# Altium PCB PCB.PcbDoc (part 3 of 3)
Units mm, origin at the board's own origin, x right, y up, seen from the top; angles counter-clockwise.
Board outline 138 x 80 mm, 4 copper layers (Top Layer, Signal Layer 1, Signal Layer 2, Bottom Layer), stack 1.605 mm thick; 288 components, 216 nets, 805 pads, 268 vias.
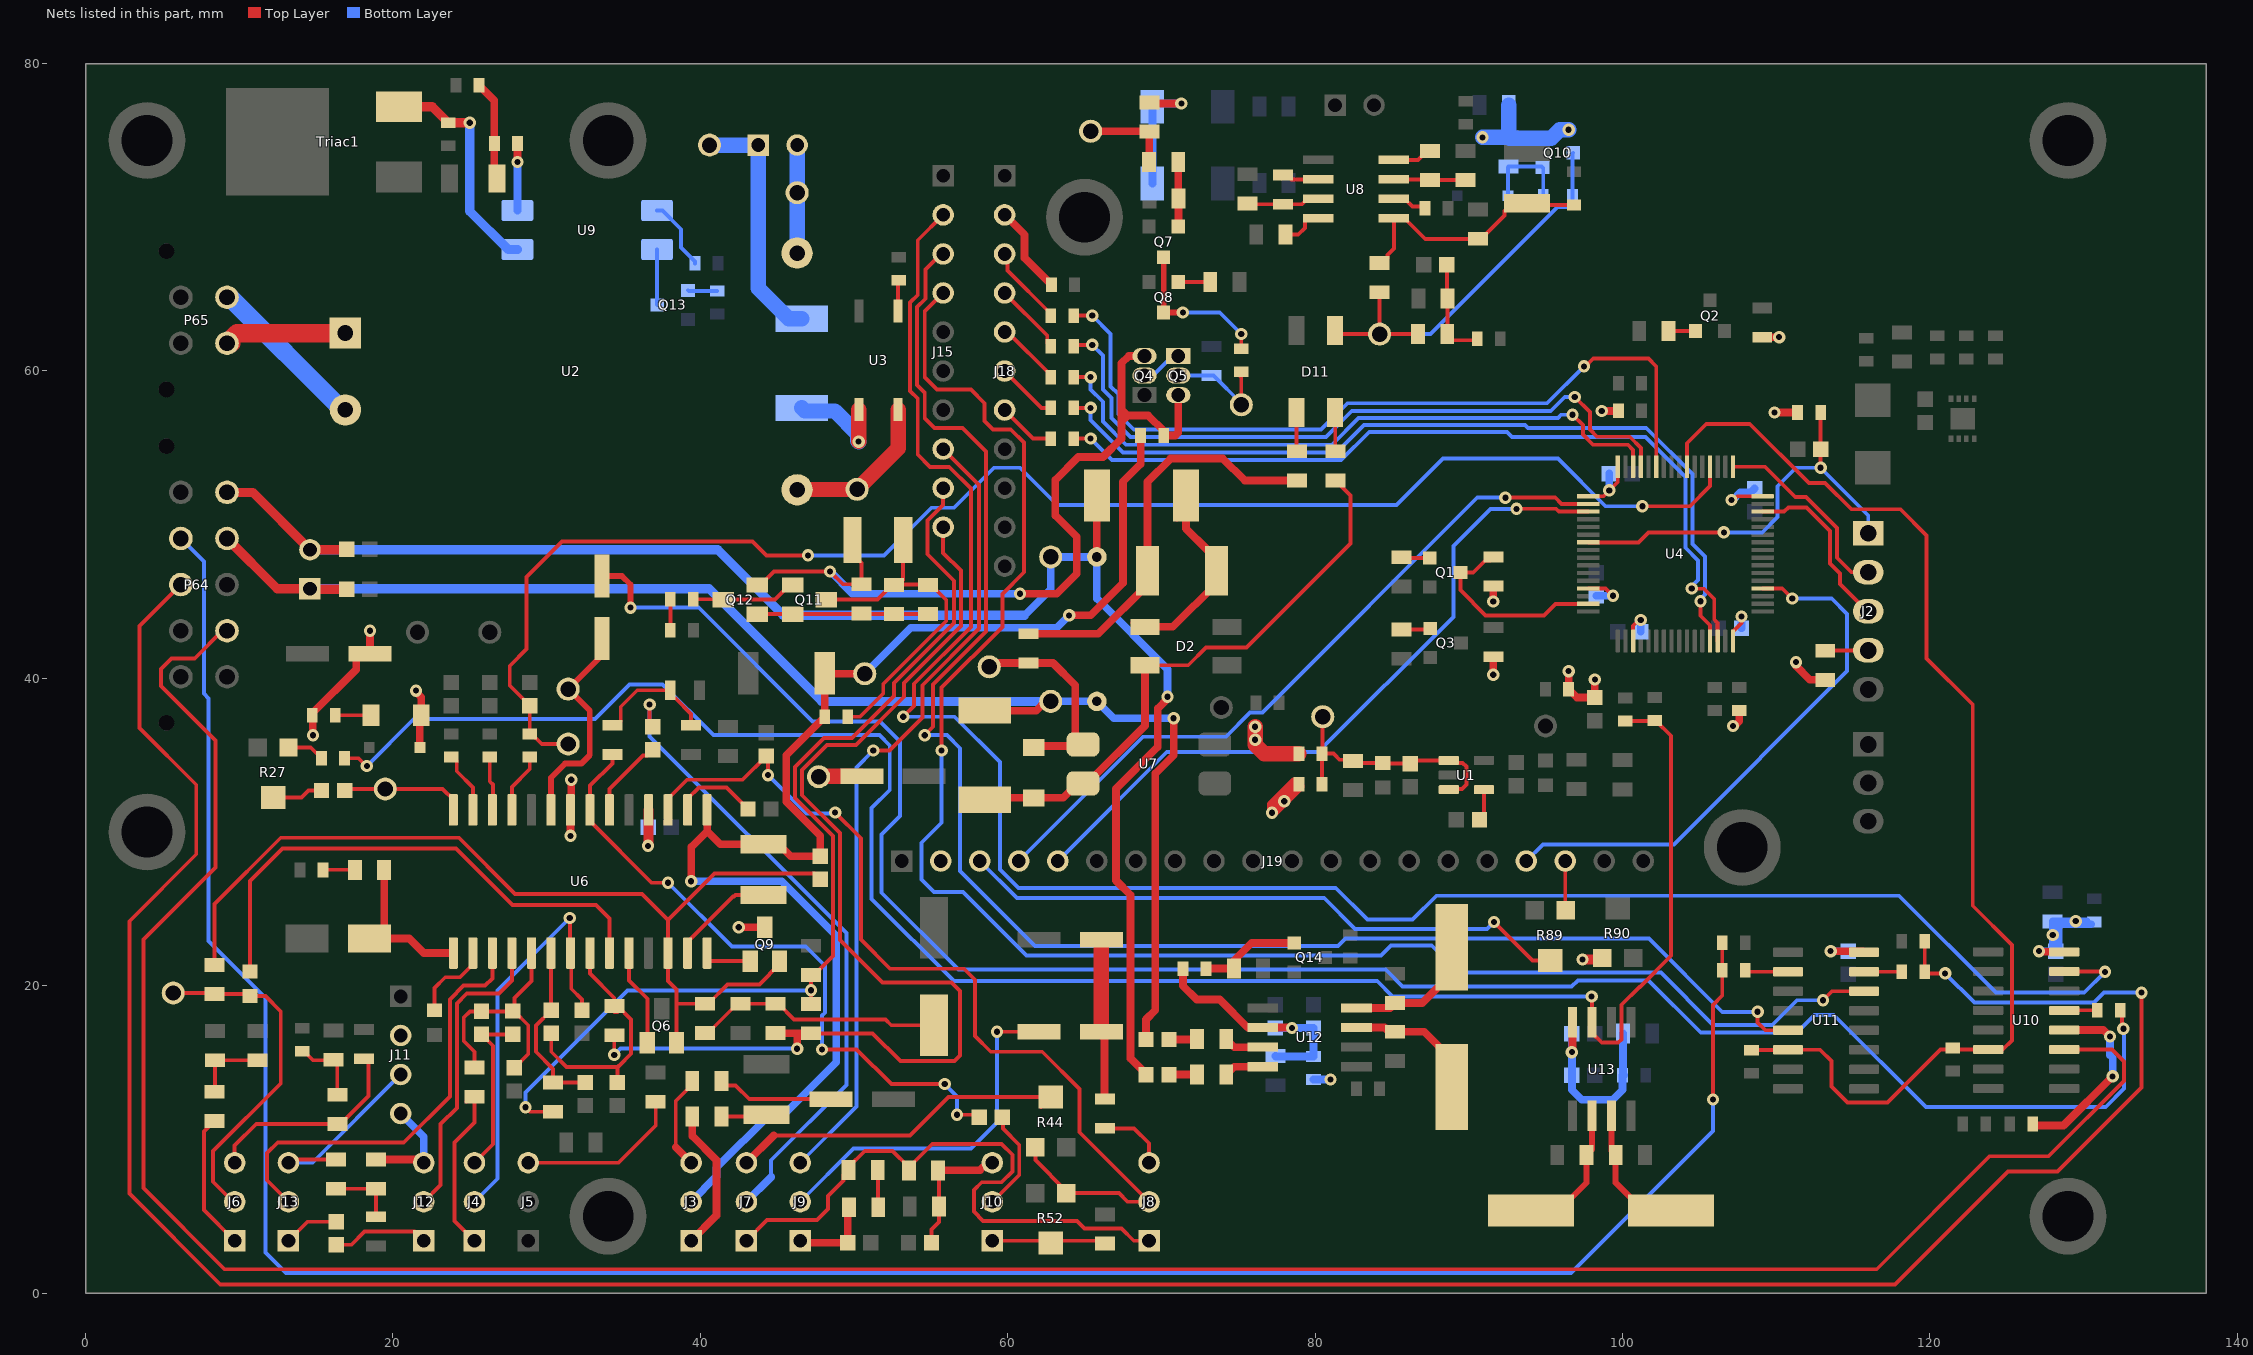
[diagram p5: the nets of this part, all layers, seen from the top]

## Via types
v1: diameter 0.8, hole 0.4, Top Layer to Bottom Layer, tented both sides, 268 vias

## Nets (pads, with @x,y where several pads share a name; then routed paths per layer and width w, separated by ;. In a path a pad name is that pad's centre, name@x,y a point inside that pad or via, vN(x,y) a via of type N, cw(c..) or ccw(c..) an arc to the next point about the centre after c; other vN are vias at no path point) (continued)
HS_3V3: Q1.3 R7.1 U4.15 | length 13
  Top Layer w0.254: 90.296,46.889 Q1.3@89.465,46.889 89.465,45.735 91.1,44.1 94.9,44.1 95.65,44.85 U4.15@97.78,44.85 ; 90.3,46.9 91.077,47.677 91.377,47.677 R7.1@91.6,47.9
HS_MIC1: C29.2 J15.10 R30.1 R38.2 | length 74.4
  Top Layer w0.254: v1(34.4,15.5) 34.4,16.759 C29.2@34.417,16.776 ; R38.2@47.2,16.9 51.215,16.9 53.017,15.098 56.55,15.098 56.9,15.448 56.9,19.65 56.349,20.201 51.857,20.201 49.081,22.977 49.081,29.935 46.623,32.393 46.623,34.046 48.246,35.669 50.119,35.669 53.25,38.8 53.25,39.699 56.954,43.403 56.954,47.014 55.8,48.168 J15.10@55.8,49.837
  Top Layer w0.5: R30.1@44.883,16.924 44.895,16.912 46.3,16.912 ; v1(46.3,15.9) 46.3,16.912 ; R38.2@47.2,16.9 47.188,16.912 46.3,16.912
  Bottom Layer w0.254: v1(34.4,15.5) 34.8,15.9 v1(46.3,15.9)
HS_MIC2: C32.2 J15.9 R38.1 R39.2 | length 66
  Top Layer w0.254: v1(28.627,12.089) 28.627,12.073 28.9,11.8 C32.2@30.4,11.8 ; R38.1@47.2,18.8 v1(47.2,19.7) R39.2@47.2,20.7 47.4,20.7 48.627,21.927 48.627,29.747 46.169,32.205 46.169,34.234 48.058,36.123 49.873,36.123 52.6,38.85 52.6,39.691 56.5,43.591 56.5,46.35 54.774,48.076 54.774,50.262 55.8,51.288 J15.9@55.8,52.377
  Bottom Layer w0.254: v1(28.627,12.089) 28.627,13.055 35.272,19.7 v1(47.2,19.7)
HS_SP1: J9.3 J15.8 | length 52.8
  Top Layer w0.254: v1(51.25,35.3) 52.3,35.3 54.45,37.45 54.45,39.55 58.146,43.246 58.146,52.571 J15.8@55.8,54.917
  Bottom Layer w0.254: J9.3@46.5,8.48 50.15,12.13 50.15,34.2 v1(51.25,35.3)
IN_MUX: R97.1 R100.1 U4.55 U10.6 U11.6 | length 76.8
  Top Layer w0.254: U4.55@104.2,53.77 104.2,55.3 105.454,56.554 108.284,56.554 112.13,52.708 113.192,52.708 114.9,51 118.1,51 119.8,49.3 119.8,41.3 122.8,38.3 122.8,25.2 125.346,22.654 125.346,16.446 124.75,15.85 U10.6@123.8,15.85 120.7,15.85 117.25,12.4 114.65,12.4 113.6,13.45 113.6,15.1 112.87,15.83 U11.6@110.778,15.83 110.763,15.815 108.415,15.815 R100.1@108.4,15.8
LN_O: C57.1 Q4.3 Q5.3 Q12.2 R28.1 R80.1 | length 54
  Top Layer w0.254: Q12.2@43.9,46.075 44.781,46.956 v1(48.444,46.956) 49.275,46.125 R80.1@50.5,46.125 50.5,47.5 49.9,48.1 C57.1@49.9,49
  Top Layer w0.5: v1(60.8,45.5) 63.2,45.5 64.5,46.8 64.5,49.2 63.1,50.6 63.1,52.9 64.6,54.4 66.2,54.4 67.4,55.6 67.4,56.7 ; Q4.3@68.9,60.97 67.87,60.97 67.4,60.5 67.4,57.5 ; Q5.3@71.1,58.43 71.1,56 70.9,55.8 R28.1@70.15,55.8 70.15,56.1 69.15,57.1 67.8,57.1 ; 67.4,56.7 67.4,57.5 ; 67.4,56.7 67.8,57.1 ; 67.4,57.5 67.8,57.1
  Bottom Layer w0.5: v1(48.444,46.956) 49.9,45.5 v1(60.8,45.5)
LS: C23.2 D4.C J3.2 R28.2 R31.2 R77.2 TP8.1 U6.15 | length 91.7
  Top Layer w0.5: v1(39.4,26.8) 39.4,29.02 40.44,30.06 ; U6.15@40.44,31.435 40.44,30.06 ; D4.C@48.085,40.325 D4.C@48.1,40.31 ; TP8.1@50.7,40.3 48.11,40.3 D4.C@48.1,40.31 ; v1(64,44.1) 65.4,44.1 67.5,46.2 67.5,52.8 68.65,53.95 R28.2@68.65,55.8 ; 40.44,30.06 41.3,29.2 C23.2@44.1,29.2 45.1,29.2 45.875,28.425 R31.2@47.8,28.425 47.8,29.758 45.592,31.966 45.592,34.992 47.875,37.275 48,37.275 48.1,37.375 R77.2@48.1,37.5 D4.C@48.1,40.31
  Bottom Layer w0.5: J3.2@39.4,5.94 41.048,7.588 41.048,8.153 44.538,11.643 45.472,11.643 48.85,15.021 48.85,23.25 45.3,26.8 v1(39.4,26.8) ; TP8.1@50.7,40.3 53.7,43.3 63.2,43.3 v1(64,44.1)
M1: C29.1 C31.2 C63.2 U6.8 | length 16.5
  Top Layer w0.254: C31.2@30.3,16.9 30.3,15.7 31.3,14.7 33.313,14.7 34.6,14.7 ; U6.8@32.82,22.125 32.82,20.78 34.4,19.2 34.4,18.676 34.4,18.3 C29.1@34.6,18.3 ; C29.1@34.417,18.676 34.624,18.676 35.5,17.8 35.5,15.572 34.701,14.773 34.673,14.773 34.6,14.7 ; C63.2@34.6,13.7 34.6,14.7
M2: C31.1 C32.1 C62.2 U6.6 | length 11.4
  Top Layer w0.254: U6.6@30.28,22.125 30.28,18.42 C31.1@30.3,18.4 29.3,17.4 29.3,15.7 30.417,14.583 30.4,14.566 C32.1@30.4,13.7 C62.2@32.5,13.7
MCU_3.3V: C8.1 C9.1 C10.1 C11.1 C12.1 C13.1 FB1.1 J11.2 R5.2 R6.2 R7.2 R8.1 R11.1 R13.2 R14.2 U4.1 U4.13 U4.19 U4.32 U4.48 U4.64 | length 30.2
  Top Layer w0.254: U4.13@97.78,45.85 98.91,45.85 v1(99.386,45.374) ; U4.1@97.78,51.85 98.762,51.85 v1(99.143,52.231) 99.7,52.788 U4.64@99.7,53.77 ; C13.1@98.2,38.75 C13.1@98.207,38.757 ; U4.19@100.7,42.43 100.7,43.42 101.072,43.792 v1(101.193,43.792) ; v1(107.101,51.601) 107.249,51.601 107.498,51.85 U4.48@109.12,51.85 ; U4.32@107.2,42.43 107.2,43.05 107.75,43.6 v1(107.75,44.018)
  Top Layer w0.5: v1(91.6,40.231) R14.2@91.6,41.4 ; v1(91.6,45) R7.2@91.6,46 ; v1(96.5,40.469) FB1.1@96.5,39.3 97.05,38.75 C13.1@98.2,38.75 ; C13.1@98.207,38.757 v1(98.207,39.926) ; v1(98.657,57.4) R11.1@99.75,57.4 ; v1(107.2,36.9) 107.3,36.9 107.6,37.2 R8.1@107.6,37.9 R8.1@107.507,37.993 ; v1(109.9,57.3) R5.2@111.4,57.3 ; v1(111.3,41.054) 111.3,40.8 112.2,39.9 R6.2@113.2,39.9
  Top Layer w0.508: R13.2@109.1,62.2 v1(110.2,62.2)
  Bottom Layer w0.5: C8.1@98.293,45.374 v1(99.386,45.374) ; v1(99.143,52.231) C9.1@99.143,53.324 ; C10.1@101.193,43.024 v1(101.193,43.792) ; v1(107.101,51.601) 107.182,51.601 107.681,52.1 108.35,52.1 C12.1@108.6,52.35 ; C11.1@107.75,43.25 v1(107.75,44.018)
MIC1_IN: J15.4 U11.14 | length 112.7
  Top Layer w0.254: v1(55.7,35.3) 55.7,39.4 59.65,43.35 59.65,45.5 61.05,46.9 61.05,55.35 60.2,56.2 59.05,56.2 58.5,56.75 58.5,57.9 57.6,58.8 55.4,58.8 54.6,59.6 54.6,63.877 J15.4@55.8,65.077 ; v1(113.05,19.05) 113.64,19.64 U11.14@115.728,19.64
  Bottom Layer w0.254: v1(55.7,35.3) 55.7,30.6 54.4,29.3 54.4,26.9 55.2,26.1 57.1,26.1 61.227,21.973 84.301,21.973 84.936,22.608 87.592,22.608 89.35,20.85 102.5,20.85 105.9,17.45 109.75,17.45 111.35,19.05 v1(113.05,19.05)
MIC1OUT_HF: P64.8 R99.2 R102.2 | length 206.3
  Top Layer w0.254: P64.8@6.2,46.1 3.5,43.4 3.5,36.777 7.2,33.077 7.2,28.55 2.846,24.196 2.846,6.467 8.763,0.55 117.75,0.55 125.1,7.9 128.3,7.9 133.781,13.381 v1(133.781,19.547) ; R99.2@119.676,23.025 R99.2@119.676,22.9 R102.2@119.676,20.9 119.776,20.8 v1(121,20.8)
  Bottom Layer w0.254: v1(121,20.8) 122.9,18.9 130.7,18.9 131.347,19.547 v1(133.781,19.547)
MIC2_IN: J15.3 U11.5 | length 106.3
  Top Layer w0.254: v1(54.6,36.3) 55.15,36.85 55.15,39.6 58.6,43.05 58.6,54.75 57.05,56.3 55.25,56.3 54.6,56.95 54.6,58.6 54.1,59.1 54.1,64.15 54.65,64.7 54.65,66.6 55.667,67.617 J15.3@55.8,67.617 ; v1(108.8,18.3) 108.8,17.6 109.3,17.1 U11.5@110.778,17.1
  Bottom Layer w0.254: v1(54.6,36.3) 56.05,36.3 56.9,35.45 56.9,27.45 61.777,22.573 81.501,22.573 81.99,23.062 101.738,23.062 106.5,18.3 v1(108.8,18.3)
MIC2OUT_HF: P64.7 R101.2 R103.2 | length 159.8
  Top Layer w0.254: v1(105.9,12.6) 105.9,18.75 106.5,19.35 R103.2@106.5,21 R101.2@106.5,22.8
  Bottom Layer w0.254: P64.7@6.2,49.1 7.7,47.6 7.7,39 8,38.7 8,22.9 11.7,19.2 11.7,2.65 13.05,1.3 96.65,1.3 105.9,10.55 v1(105.9,12.6)
NetC4_2: C4.2 C5.1 C6.2 R1.2 R2.2 TP1.1 U1.1 U1.3 | length 16.8
  Top Layer w0.254: R2.2@80.45,33.1 R1.2@80.45,35.1 ; TP1.1@80.5,37.5 80.475,37.475 80.475,35.125 R1.2@80.45,35.1 ; U1.3@88.702,32.757 88.745,32.8 89.55,32.8 89.85,33.1 89.85,34.25 89.6,34.5 88.859,34.5 U1.1@88.702,34.657 86.407,34.657 C5.1@86.2,34.45 84.45,34.45 C4.2@84.4,34.5 82.607,34.5 C6.2@82.483,34.624 82.407,34.7 81.6,34.7 81.3,35 81.2,35.1 R1.2@80.45,35.1
NetC7_2: C7.2 U1.4 | length 2.1
  Top Layer w0.254: C7.2@90.7,30.8 90.992,31.092 U1.4@90.992,32.757
NetC19_1: C19.1 R23.1 | length 7.6
  Top Layer w0.254: R23.1@41.376,13.783 41.659,13.5 42.3,13.5 43.181,12.619 C19.1@48.514,12.619
NetC20_1: C20.1 R22.1 | length 3
  Top Layer w0.254: R22.1@41.376,11.483 44.183,11.483 C20.1@44.3,11.6
NetC21_1: C21.1 R24.2 R29.2 R30.2 | length 16.3
  Top Layer w0.254: R24.2@40.317,16.924 40.517,16.924 40.84,17.247 40.84,17.264 42.4,18.824 R29.2@42.6,18.824 R30.2@44.883,18.824 45.083,18.824 46.107,17.8 48.543,17.8 52.05,17.8 52.425,17.425 C21.1@55.2,17.425
NetC22_1: C22.1 TP6.1 U6.28 | length 8.1
  Top Layer w0.254: C22.1@16.85,32.7 16.95,32.8 TP6.1@19.5,32.8 23.232,32.8 23.93,32.102 U6.28@23.93,31.435
NetC22_2: C22.2 R27.2 | length 3.3
  Top Layer w0.254: R27.2@12.2,32.25 14.05,32.25 14.5,32.7 C22.2@15.35,32.7
NetC23_1: C23.1 U6.13 | length 6.9
  Top Layer w0.254: U6.13@39.17,22.125 39.17,22.855 42.115,25.8 42.2,25.8 42.3,25.9 C23.1@44.1,25.9
NetC24_1: C24.1 J4.2 U6.7 | length 27.4
  Top Layer w0.254: v1(31.5,24.4) 31.525,24.375 31.525,22.15 U6.7@31.55,22.125 31.6,22.075 31.6,19.8 32.3,19.1 C24.1@32.3,18.4
  Bottom Layer w0.254: J4.2@25.3,5.94 26.8,7.44 26.8,19.7 v1(31.5,24.4)
NetC25_1: C25.1 C26.1 C27.1 C28.2 U6.5 | length 15.7
  Top Layer w0.254: C25.1@25.317,14.676 25.3,14.693 25.3,15.7 24.608,16.392 24.608,17.934 25,18.326 25.756,18.326 C27.1@27.9,18.326 ; C28.2@27.9,14.65 28.8,15.55 28.8,17.426 C27.1@27.9,18.326 ; U6.5@29.01,22.125 29.01,20.305 27.9,19.195 C27.1@27.9,18.326
NetC25_2: C25.2 J4.1 | length 11.4
  Top Layer w0.254: C25.2@24.794,12.453 25.117,12.776 C25.2@25.317,12.776 ; J4.1@25.3,3.4 24,4.7 24,9.8 25.3,11.1 C25.2@25.3,13.1
NetC26_2: C26.2 C27.2 J4.3 | length 11.3
  Top Layer w0.254: J4.3@25.3,8.48 26.5,9.68 26.5,16.091 C26.2@25.756,16.834 27.892,16.834 C27.2@27.9,16.826
NetC30_1: C30.1 U6.9 | length 34.3
  Top Layer w0.254: C30.1@10.7,20.925 10.7,26.825 12.8,28.925 24.1,28.925 27.784,25.241 33.221,25.241 34.09,24.372 U6.9@34.09,22.125
NetC30_2: C30.2 J6.2 R36.1 TP11.1 | length 22.3
  Top Layer w0.254: TP11.1@5.7,19.525 8.307,19.525 R36.1@8.383,19.449 10.576,19.449 C30.2@10.7,19.325 11.7,19.325 12.7,18.325 12.7,13.64 8.3,9.24 8.3,7.24 9.6,5.94 J6.2@9.7,5.94
NetC33_2: C33.2 U6.16 | length 5.5
  Top Layer w0.254: U6.16@39.17,31.435 39.17,32.165 39.905,32.9 41.7,32.9 C33.2@43.1,31.5
NetC34_1: C34.1 U6.20 | length 5.2
  Top Layer w0.254: U6.20@34.09,31.435 34.09,32.79 36.277,34.977 36.527,34.977 C34.1@36.9,35.35
NetC34_2: C34.2 J7.2 | length 41.8
  Top Layer w0.254: C34.2@36.7,36.898 v1(36.7,38.3)
  Bottom Layer w0.254: v1(36.7,38.3) 36.7,36.216 49.5,23.416 49.5,13.529 44.61,8.64 44.61,7.55
  Bottom Layer w0.5: J7.2@43,5.94 44.61,7.55
NetC35_2: C35.2 R43.1 R48.2 | length 5
  Top Layer w0.254: R43.1@8.417,12.901 R48.2@8.417,15.147 C35.2@11.176,15.147
NetC36_2: C36.2 R40.1 R49.2 | length 4.8
  Top Layer w0.254: R49.2@14.1,15.728 14.225,15.728 14.806,15.147 16.376,15.147 R40.1@16.376,12.901
NetC37_1: C37.1 R51.1 R69.2 | length 26.9
  Top Layer w0.5: R51.1@61.15,42.9 65.9,42.9 69.1,46.1 C37.1@69.1,47 69.1,52.8 70.6,54.3 74,54.3 75.424,52.876 R69.2@78.817,52.876
NetC37_2: C37.2 D2.4 R32.2 | length 14.4
  Top Layer w0.5: D2.4@68.25,43.625 68.525,43.35 D2.4@68.937,43.35 70.75,43.35 73.6,46.2 C37.2@73.6,47 73.6,47.85 73.1,48.35 73,48.35 71.6,49.75 R32.2@71.6,51.35 ; R32.2@71,50.45 71.6,51.05 R32.2@71.6,51.9
NetC38_2: C38.2 J10.2 | length 6.7
  Top Layer w0.254: J10.2@59,5.94 60.754,7.694 60.754,9.646 59.692,10.708 59.692,11.398 C38.2@59.65,11.44
NetC39_2: C39.2 J10.1 R52.2 | length 7.4
  Top Layer w0.254: J10.1@59,3.4 66.133,3.4 C39.2@66.317,3.216
NetC41_1: C41.1 C43.1 R55.2 | length 10.5
  Top Layer w0.254: C41.1@66.1,17 C41.1@66.3,16.8
  Top Layer w0.5: R55.2@66.3,12.619 C41.1@66.3,16.8
  Top Layer w1: C41.1@66.1,17 C43.1@66.1,23
NetC41_2: C41.2 J9.2 | length 23.6
  Top Layer w0.254: v1(59.3,17) C41.2@62.045,17
  Bottom Layer w0.254: J9.2@46.5,5.94 49.96,9.4 57.6,9.4 59.3,11.1 v1(59.3,17)
NetC42_1: C42.1 TP15.1 U6.23 | length 14.3
  Top Layer w0.381: U6.23@30.28,31.435 30.28,33.53 31.2,34.45 32.25,34.45 32.8,35 32.8,37.9 TP15.1@31.4,39.3 33.6,41.5 C42.1@33.6,42.6
NetC42_2: C42.2 R56.1 | length 128.7
  Top Layer w0.254: R56.1@132.4,18.4 132.5,18.3 132.5,17.3 v1(132.6,17.2)
  Top Layer w0.381: C42.2@33.6,46.655 34.895,46.655 35.45,46.1 v1(35.45,44.6)
  Bottom Layer w0.254: v1(35.45,44.6) 39.9,44.6 47.3,37.2 51.7,37.2 53,35.9 53,31.05 51.8,29.85 51.8,26.05 56.8,21.05 84.6,21.05 85.7,19.95 96.7,19.95 97.1,20.35 101.7,20.35 105.1,16.95 111.35,16.95 112.5,18.1 113.75,18.1 119.75,12.1 131.45,12.1 132.65,13.3 132.65,17.15 v1(132.6,17.2)
NetC47_1: C47.1 D9.1 Q10.2 R63.1 | length 6.2
  Bottom Layer w0.254: D9.1@92.551,71.4 92.551,73.251 C47.1@92.6,73.3 94.75,73.3 Q10.2@94.8,73.25 94.85,73.2 R63.1@94.85,71.2
NetC49_2: C49.2 U6.2 | length 5.3
  Top Layer w0.254: C49.2@22.7,18.4 22.7,19.85 23.4,20.55 24.355,20.55 25.2,21.395 U6.2@25.2,22.125
NetC51_1: C51.1 R64.2 U6.1 | length 10.6
  Top Layer w0.5: C51.1@18.465,23.073 C51.1@18.651,23.073 ; R64.2@19.424,27.542 19.424,23.846 C51.1@18.651,23.073 ; U6.1@23.93,22.125 22,22.125 21.052,23.073 C51.1@18.651,23.073
NetC52_2: C52.2 R66.1 R67.2 R68.2 | length 6.4
  Top Layer w0.254: C52.2@88.574,66.917 88.574,64.767 R67.2@88.624,64.717 88.624,62.424 R66.1@88.6,62.4 88.6,62.323 88.923,62 R68.2@90.246,62
NetC53_1: C53.1 U8.8 | length 2.8
  Top Layer w0.254: C53.1@78.076,68.883 78.907,68.883 79.336,69.312 79.336,69.778 79.489,69.93 U8.8@80.2,69.93
NetC54_2: C54.2 D12.1 R70.2 R72.2 U8.1 | length 16.7
  Top Layer w0.254: R70.2@84.183,67.024 84.383,67.024 84.706,67.347 84.706,67.547 85.128,67.969 U8.1@85.128,69.93 85.839,69.93 87.169,68.6 R72.2@90.6,68.6 90.8,68.6 92.327,70.127 92.327,70.427 92.8,70.9 93.7,70.9 93.8,70.8 D12.1@96.7,70.8
NetC55_2: C55.2 R71.1 U8.7 | length 4.8
  Top Layer w0.254: C55.2@75.6,70.9 75.65,70.85 R71.1@77.9,70.85 79.139,70.85 79.489,71.2 U8.7@80.2,71.2
NetC56_1: C56.1 R74.1 U8.3 | length 4.7
  Top Layer w0.254: U8.3@85.128,72.47 87.437,72.47 R74.1@87.483,72.424 C56.1@89.783,72.424
NetC57_2: C57.2 Q11.3 R76.1 R77.1 R79.1 | length 22.2
  Top Layer w0.254: Q11.3@48.2,45.125 51.525,45.125 52.499,46.099 52.9,46.099 53.2,46.399 C57.2@53.2,49 ; R77.1@49.6,37.5 50.4,37.5 51.9,39 51.9,39.633 55.167,42.9 56,43.733 56,45.1 55.024,46.076 R76.1@54.817,46.076 ; R79.1@53.015,46.099 R76.1@54.817,46.099
NetC58_1: C58.1 R78.1 | length 2.4
  Top Layer w0.254: C58.1@51.55,8 51.55,5.609 R78.1@51.576,5.583
NetC66_1: C66.1 J11.3 J13.3 | length 12.9
  Top Layer w0.254: J13.3@13.2,8.48 13.41,8.69 C66.1@16.3,8.69
  Bottom Layer w0.254: J13.3@13.2,8.48 14.76,8.48 J11.3@20.5,14.22
NetC66_2: C66.2 C67.1 R87.2 | length 4.4
  Top Layer w0.254: C66.2@16.3,6.79 16.304,6.786 C67.1@18.9,6.786 R87.2@18.9,4.968
NetC67_2: C67.2 J11.4 J12.3 | length 7
  Top Layer w0.254: J12.3@21.794,8.686 J12.3@22,8.48
  Top Layer w0.5: C67.2@18.9,8.686 J12.3@21.794,8.686
  Bottom Layer w0.5: J11.4@20.5,11.68 22,10.18 J12.3@22,8.48
NetC69_2: C69.2 J13.1 | length 3.6
  Top Layer w0.254: J13.1@13.2,3.4 14.44,4.64 C69.2@16.3,4.64
NetC70_2: C70.2 R91.2 R92.1 | length 6.6
  Top Layer w0.5: R92.1@25.6,78.6 26.6,77.6 R91.2@26.6,74.8 26.6,72.707 C70.2@26.78,72.527
NetC77_2: C77.2 U12.8 X1.1 | length 8.1
  Top Layer w0.508: U12.8@82.692,18.542 84.883,18.542 C77.2@85.217,18.876 86.976,18.876 88.9,20.8 X1.1@88.9,21.8
NetC78_2: C78.2 U12.7 X1.2 | length 9.6
  Top Layer w0.508: U12.7@82.692,17.272 84.528,17.272 84.8,17 C78.2@85.2,17 87.1,17 88.9,15.2 X1.2@88.9,12.7
NetC79_1: C79.1 R104.1 | length 1.8
  Top Layer w0.254: R104.1@72.307,16.5 R104.1@72.324,16.517
  Top Layer w0.5: C79.1@70.5,16.5 R104.1@72.307,16.5
NetC80_1: C80.1 R105.1 | length 1.8
  Top Layer w0.254: C80.1@70.5,14.2 C80.1@70.517,14.217
  Top Layer w0.5: C80.1@70.517,14.217 R105.1@72.324,14.217
NetC84_2: C84.2 U13.2 X2.2 | length 8.4
  Top Layer w0.381: X2.2@94.479,5.378 95.862,5.378 97.662,7.178 C84.2@97.662,8.978 98.027,9.343 U13.2@98.027,11.53
NetC85_2: C85.2 U13.3 X2.1 | length 9.1
  Top Layer w0.381: U13.3@99.297,11.53 99.297,9.243 C85.2@99.562,8.978 99.562,7.178 101.462,5.278 103.262,5.278 X2.1@103.362,5.378
NetD2_2: D2.2 D7.2 R26.2 R57.2 U7.2 | length 37.5
  Top Layer w0.254: D2.2@68.937,40.85 71.75,40.85 72.9,42 75.528,42 82.3,48.772 82.3,51.893 R57.2@81.317,52.876
  Top Layer w0.5: R26.2@58.5,32.1 58.62,32.22 D7.2@61.7,32.22 63.603,32.22 64.543,33.16 65.18,33.16 68.937,36.918 D2.2@68.937,40.85
NetD5_1: D5.1 D6.1 R41.1 | length 9.1
  Top Layer w0.254: R41.1@69.217,77.476 R41.1@69.289,77.404
  Top Layer w0.508: R41.1@69.289,77.404 v1(71.3,77.404)
  Bottom Layer w0.508: D5.1@69.414,72.2 D6.1@69.414,77.2 69.618,77.404 v1(71.3,77.404)
NetD7_1: D7.1 R51.2 TP13.1 U7.1 | length 13.6
  Top Layer w0.5: TP13.1@58.6,40.75 58.85,41 R51.2@61.35,41 62.95,41 64.4,39.55 U7.1@64.4,35.75 ; D7.1@61.7,35.5 61.85,35.5 61.95,35.6 64.8,35.6 U7.1@64.9,35.7
NetD8_2: D8.2 R58.1 | length 2.3
  Top Layer w0.254: R58.1@16.25,37.6 D8.2@18.56,37.6
NetD11_1: D11.1 Q10.3 R63.2 R66.2 R70.1 TP20.1 | length 27.5
  Top Layer w0.254: D11.1@81.3,62.425 81.325,62.4 TP20.1@84.2,62.4 ; R70.1@84.183,65.124 84.2,65.107 TP20.1@84.2,62.4 ; R66.2@86.7,62.4 TP20.1@84.2,62.4
  Bottom Layer w0.254: TP20.1@84.2,62.4 87.512,62.4 95.789,70.677 96.527,70.677 96.75,70.9 R63.2@96.75,71.2 96.75,74.15 Q10.3@96.8,74.2
NetD11_2: D11.2 R57.1 | length 2.3
  Top Layer w0.254: D11.2@81.3,57.1 81.317,57.083 R57.1@81.317,54.776
NetD11_4: D11.4 R69.1 | length 2.3
  Top Layer w0.254: D11.4@78.8,57.1 78.8,54.793 R69.1@78.817,54.776
NetJ2_4: J2.4 R6.1 | length 2.8
  Top Layer w0.254: R6.1@113.2,41.8 113.22,41.82 J2.4@116,41.82
NetJ3_1: J3.1 R22.2 | length 9.4
  Top Layer w0.5: J3.1@39.4,3.4 41.05,5.05 41.05,8.65 39.476,10.224 R22.2@39.476,11.483
NetJ3_3: J3.3 R23.2 | length 6.2
  Top Layer w0.254: 38.4,9.48 38.4,12.5 39.476,13.576 R23.2@39.476,13.783
  Top Layer w0.5: 38.4,9.48 J3.3@39.4,8.48
NetJ5_3: J5.3 R33.1 | length 10.9
  Top Layer w0.254: J5.3@28.8,8.48 34.68,8.48 37.1,10.9 37.1,12.432 R33.1@37.083,12.449
NetJ6_3: J6.3 R40.2 R50.2 | length 13.7
  Top Layer w0.254: J6.3@9.7,8.48 9.7,9.6 11.101,11.001 R40.2@16.376,11.001 16.576,11.001 18.4,12.825 R50.2@18.4,15.375
NetJ7_3: J7.3 R44.2 | length 21.9
  Top Layer w0.254: 44.77,10.25 53.65,10.25 56.15,12.75 R44.2@62.8,12.75 ; R44.2@62.18,12.11 R44.2@62.18,12.451
  Top Layer w0.5: J7.3@43,8.48 44.77,10.25
NetJ8_3: J8.3 R55.1 | length 4.6
  Top Layer w0.254: R55.1@66.317,10.719 68.231,10.719 69.2,9.75 J8.3@69.2,8.48
NetJ17_1: J17.1 R4.2 TP5.1 | length 16.1
  Bottom Layer w1: TP5.1@40.6,74.7 J17.1@43.76,74.7 43.76,65.39 45.027,64.123 45.75,63.4 R4.2@46.6,63.4
NetJ17_2: J17.2 TP4.1 U2.3 | length 7
  Bottom Layer w1: U2.3@46.3,67.669 J17.2@46.3,74.7
NetJ18_2: J18.2 R110.2 | length 5.8
  Top Layer w0.508: J18.2@59.8,70.157 61.1,68.857 61.1,67.35 R110.2@62.85,65.6
NetJ18_3: J18.3 R111.2 | length 5.3
  Top Layer w0.254: J18.3@59.8,67.617 59.988,67.428 59.988,66.537 62.8,63.725 R111.2@62.8,63.6
NetJ18_4: J18.4 R112.2 | length 4.7
  Top Layer w0.254: J18.4@59.8,65.077 62.577,62.3 62.577,61.823 R112.2@62.8,61.6
NetJ18_5: J18.5 R113.2 | length 4.3
  Top Layer w0.254: J18.5@59.8,62.537 59.988,62.537 62.8,59.725 R113.2@62.8,59.6
NetJ18_6: J18.6 R114.2 | length 4
  Top Layer w0.254: J18.6@59.8,59.997 62.197,57.6 R114.2@62.8,57.6
NetJ18_7: J18.7 R115.2 | length 3.8
  Top Layer w0.254: J18.7@59.8,57.457 61.657,55.6 R115.2@62.8,55.6
NetP65_1: P65.1 U2.2 | length 10.7
  Bottom Layer w0.254: P65.1@9.2,64.8 P65.1@9.384,64.8 ; U2.2@16.715,57.469 U2.2@16.9,57.469
  Bottom Layer w1.2: P65.1@9.384,64.8 U2.2@16.715,57.469
NetP65_2: P65.2 U2.1 | length 8.3
  Top Layer w1.2: P65.2@9.483,61.8 P65.2@9.2,61.8 9.869,62.469 U2.1@16.9,62.469
NetQ1_2: Q1.2 R9.1 | length 1.9
  Top Layer w0.254: R9.1@85.617,47.876 85.654,47.839 Q1.2@87.465,47.839
NetQ2_2: Q2.2 R15.2 | length 1.7
  Top Layer w0.254: R15.2@103,62.6 Q2.2@104.75,62.6
NetQ3_2: Q3.2 R17.1 | length 1.9
  Top Layer w0.254: R17.1@85.617,43.176 87.426,43.176 Q3.2@87.5,43.25
NetQ4_2: Q4.2 Q5.1 | length 2.7
  Bottom Layer w0.254: Q4.2@68.9,59.7 69.45,59.7 70.72,60.97 Q5.1@71.1,60.97
NetQ5_2: Q5.2 R34.2 R37.2 TP10.1 | length 7.5
  Top Layer w0.254: Q5.2@71.1,59.7 Q5.2@71.15,59.75 ; R37.2@75.15,59.65 R37.2@75.2,59.7 ; TP10.1@75.2,57.6 R37.2@75.2,59.8
  Bottom Layer w0.254: Q5.2@71.1,59.7 73.1,59.7 73.4,59.7 75.2,57.9 TP10.1@75.2,57.6
NetQ6_1: Q6.1 U6.10 | length 6.3
  Top Layer w0.254: U6.10@35.36,22.125 35.36,20.34 36.55,19.15 Q6.1@36.55,16.3
NetQ6_2: Q6.2 Q9.2 R24.1 R31.1 R36.2 U6.12 | length 65
  Top Layer w0.254: R36.2@8.383,21.349 8.383,25.308 12.7,29.625 24.3,29.625 27.951,25.974 36.198,25.974 37.9,24.272 ; Q6.2@38.45,16.3 38.45,18.824 ; Q9.2@45.15,21.6 45.15,21.4 43.837,20.087 41.78,20.087 40.517,18.824 R24.1@40.317,18.824 38.45,18.824 ; R31.1@47.8,26.925 47.427,27.298 40.926,27.298 37.9,24.272 ; 37.9,24.272 U6.12@37.9,22.125 37.9,20.3 38.45,19.75 38.45,18.824
NetQ7_2: Q7.2 R42.2 R45.2 | length 4.4
  Top Layer w0.508: Q7.2@71.1,69.4 71.124,69.424 R45.2@71.124,71.217 ; R45.2@71.1,70.99 R42.2@71.1,73.6
NetQ7_3: Q7.3 Q8.3 R37.1 | length 10.2
  Top Layer w0.254: Q8.3@70.158,63.808 Q8.3@70.166,63.8 ; R37.1@75.2,61.45 R37.1@75.325,61.45 ; R37.1@75.2,61.575 v1(75.2,62.4)
  Top Layer w0.381: Q8.3@70.158,63.808 Q7.3@70.158,67.4 ; Q8.3@70.166,63.8 v1(71.4,63.8)
  Bottom Layer w0.254: v1(71.4,63.8) 73.8,63.8 v1(75.2,62.4)
NetQ8_2: Q8.2 R46.2 | length 2.2
  Top Layer w0.254: Q8.2@70.94,65.783 R46.2@73.176,65.783 ; Q8.2@71.1,65.8 Q8.2@71.108,65.808
NetQ9_1: Q9.1 U6.14 | length 3.2
  Top Layer w0.254: U6.14@40.44,22.125 40.44,21.768 40.608,21.6 Q9.1@43.25,21.6
NetQ11_1: Q11.1 Q12.3 R86.2 | length 6.9
  Top Layer w0.254: R86.2@39.545,45.147 41.478,45.147 Q12.3@41.5,45.125 44.85,45.125 45.8,46.075 Q11.1@46,46.075
NetQ11_2: Q11.2 Q12.1 R76.2 R79.2 R80.2 | length 11.4
  Top Layer w0.254: Q12.1@43.7,44.175 43.714,44.189 46,44.189 50.5,44.189 52.617,44.189 53.217,44.189 R76.2@55.1,44.189
NetQ13_2: Q13.2 R94.2 | length 1.9
  Bottom Layer w0.254: Q13.2@39.2,65.25 39.25,65.2 R94.2@41.1,65.2
NetQ13_3: Q13.3 U9.2 | length 3.6
  Bottom Layer w0.254: U9.2@37.18,67.9 37.18,64.32 Q13.3@37.2,64.3
NetQ14_2: Q14.2 R107.1 R109.2 | length 6.7
  Top Layer w0.508: R107.1@72.9,21.1 72.92,21.12 R109.2@74.72,21.12 74.72,21.62 75.887,22.787 Q14.2@78.644,22.787
NetR3_1: R3.1 U3.1 | length 2
  Top Layer w0.254: U3.1@52.867,63.897 52.867,65.867 R3.1@52.9,65.9
NetR4_1: R4.1 U3.3 | length 7
  Top Layer w0.5: v1(50.3,55.4) v1@50.314,55.414 ; U3.3@50.314,57.473 U3.3@50.327,57.487
  Top Layer w1: v1@50.314,55.414 U3.3@50.314,57.473
  Bottom Layer w1: R4.1@46.6,57.6 46.806,57.394 48.757,57.394 50.243,55.909 50.243,55.457 v1(50.3,55.4)
NetR25_2: R25.2 R27.1 | length 2.4
  Top Layer w0.254: R27.1@13.2,35.5 14.65,35.5 R25.2@15.35,34.8
NetR41_2: R41.2 R42.1 TP12.1 | length 5.8
  Top Layer w0.508: TP12.1@65.4,75.6 69.193,75.6 R41.2@69.217,75.576 69.217,73.617 R42.1@69.2,73.6
NetR59_1: R59.1 U6.25 | length 3.9
  Top Layer w0.254: U6.25@27.74,31.435 27.74,32.94 28.9,34.1 R59.1@28.9,34.878
NetR60_1: R60.1 U6.26 | length 3.5
  Top Layer w0.254: R60.1@26.3,34.878 26.3,33.3 26.5,33.1 26.5,31.465 U6.26@26.47,31.435
NetR61_1: R61.1 U6.27 | length 4.1
  Top Layer w0.254: R61.1@23.8,34.878 23.925,34.878 24.148,34.655 24.148,33.952 25.2,32.9 U6.27@25.2,31.435
NetR64_1: R64.1 R65.2 | length 2.1
  Top Layer w0.254: R65.2@15.45,27.525 15.467,27.542 R64.1@17.524,27.542
NetR71_2: R71.2 U8.6 | length 2.4
  Top Layer w0.254: R71.2@77.9,72.75 78.2,72.75 78.48,72.47 U8.6@80.2,72.47
NetR73_2: R73.2 U8.2 | length 2.3
  Top Layer w0.254: U8.2@85.128,71.2 85.839,71.2 86.339,70.7 R73.2@87.2,70.7
NetR74_2: R74.2 U8.4 | length 2.6
  Top Layer w0.254: U8.4@85.128,73.74 86.699,73.74 87.283,74.324 R74.2@87.483,74.324
NetR82_1: R82.1 R83.2 R85.2 | length 8.2
  Top Layer w0.254: R83.2@34.3,36.95 34.6,36.95 34.823,37.173 34.823,38.151 35.897,39.225 R85.2@38.05,39.225 38.05,38.925 38.273,38.702 38.379,38.702 39.4,37.681 R82.1@39.4,36.95
NetR86_1: R86.1 R88.2 | length 2
  Top Layer w0.254: R86.1@38.045,45.147 38.048,45.144 38.048,43.127 R88.2@38.05,43.125
NetR91_1: R91.1 U9.4 | length 4.4
  Top Layer w0.5: v1(28.1,73.6) R91.1@28.1,74.8
  Bottom Layer w0.5: U9.4@28.1,70.44 v1(28.1,73.6)
NetR93_1: R93.1 U9.1 | length 4.7
  Bottom Layer w0.254: U9.1@37.18,70.44 37.53,70.44 38.748,69.222 38.748,68.027 39.65,67.125 R93.1@39.65,67
NetR95_2: R95.2 Triac1.G U9.3 | length 14.9
  Top Layer w0.6: Triac1.G@20.4,77.2 22.55,77.2 R95.2@23.6,76.15 v1(25,76.15)
  Bottom Layer w0.6: v1(25,76.15) 25,70.4 27.5,67.9 U9.3@28.1,67.9
NetR98_1: R98.1 U10.12 | length 12.4
  Top Layer w0.5: R98.1@126.7,11 126.8,10.9 128.7,10.9 v1(131.9,14.1) ; U10.12@128.75,17.12 131.299,17.12 131.719,16.7 v1(131.734,16.7)
  Bottom Layer w0.5: v1(131.734,16.7) 131.734,15.466 131.9,15.3 v1(131.9,14.1)
NetR102_1: R102.1 U11.15 | length 2.5
  Top Layer w0.254: U11.15@115.728,20.91 118.166,20.91 R102.1@118.176,20.9
NetR103_1: R103.1 U11.2 | length 2.8
  Top Layer w0.254: R103.1@108,21 108.09,20.91 U11.2@110.778,20.91
NetR104_2: R104.2 U12.3 | length 2.6
  Top Layer w0.5: R104.2@74.224,16.517 74.739,16.002 U12.3@76.596,16.002
NetR105_2: R105.2 U12.4 | length 2.6
  Top Layer w0.5: R105.2@74.224,14.217 74.739,14.732 U12.4@76.596,14.732
NetTP3_1: TP3.1 U2.4 U3.4 | length 10.2
  Top Layer w1: U2.4@46.3,52.269 46.316,52.285 50.185,52.285 TP3.1@50.2,52.3 52.867,54.967 U3.4@52.867,57.487
NRST: C15.1 J2.1 R5.1 U4.7 | length 29
  Top Layer w0.254: U4.7@97.78,48.85 101.05,48.85 101.7,49.5 v1(106.6,49.5) ; v1(112.9,53.7) C15.1@112.9,55.3 ; C15.1@112.9,54.9 R5.1@112.9,57.3 ; J2.1@115.127,50.113 115.8,49.44 J2.1@116,49.44
  Bottom Layer w0.254: v1(106.6,49.5) 109.1,49.5 110.1,50.5 110.1,52.5 111.3,53.7 v1(112.9,53.7) 116,50.6 J2.1@116,49.44
P14_DS: J6.1 R43.2 | length 8.9
  Top Layer w0.254: R43.2@8.4,11.2 7.7,10.5 7.7,5.4 J6.1@9.7,3.4
P16_DS: C68.2 J10.3 R81.1 R84.2 | length 8.7
  Top Layer w0.254: C68.2@55.046,3.267 55.046,4.146 55.524,4.624 R84.2@55.524,5.617 55.524,7.935 R81.1@55.476,7.983 ; J10.3@58.69,8.48 J10.3@59,8.48
  Top Layer w0.5: R81.1@55.476,7.983 58.193,7.983 J10.3@58.69,8.48
P17_DS: C58.2 J7.1 J8.1 R81.2 | length 39.6
  Top Layer w0.254: J7.1@43,3.4 44.344,4.744 47.594,4.744 48.318,5.468 48.318,6.318 49.327,7.327 49.327,7.677 C58.2@49.65,8 49.65,8.2 50.7,9.25 52.509,9.25 53.576,8.183 55.093,9.7 59.6,9.7 60.3,9 60.3,7.9 59.61,7.21 58.31,7.21 57.8,6.7 57.8,5.3 58.4,4.7 64.5,4.7 65,4.2 67.4,4.2 68.2,3.4 J8.1@69.2,3.4
P18_DS: C59.1 J9.1 R78.2 | length 5.5
  Top Layer w0.254: J9.1@46.5,3.4 J9.1@46.634,3.267 ; R78.2@49.598,5.505 R78.2@49.676,5.583
  Top Layer w0.5: J9.1@46.634,3.267 C59.1@49.598,3.267 R78.2@49.598,5.505
P21_DS: C69.1 J12.1 | length 6.3
  Top Layer w0.254: C69.1@16.3,3.14 17.29,3.14 18.15,4 21.4,4 J12.1@22,3.4
R1: R111.1 U4.59 | length 52.3
  Top Layer w0.254: R111.1@64.4,63.6 v1(65.5,63.6) ; v1(97.5,60.3) 97.604,60.3 98.104,60.8 101.7,60.8 102.2,60.3 U4.59@102.2,53.77
  Bottom Layer w0.254: v1(65.5,63.6) 66.7,62.4 66.7,59 67.2,58.5 67.2,58.442 67.204,58.438 67.204,57.196 68.2,56.2 80.4,56.2 82.1,57.9 95.1,57.9 v1(97.5,60.3)
R2: R112.1 U4.61 | length 45.7
  Top Layer w0.254: R112.1@64.4,61.7 v1(65.5,61.7) ; v1(96.9,58.3) 97.879,57.321 97.879,56.188 98.346,55.721 100.479,55.721 101.2,55 U4.61@101.2,53.77
  Bottom Layer w0.254: v1(65.5,61.7) 66.2,61 66.2,58.8 66.75,58.25 66.75,56.95 68,55.7 80.7,55.7 82.389,57.389 95.339,57.389 96.25,58.3 v1(96.9,58.3)
R3: R113.1 U4.62 | length 42.7
  Top Layer w0.254: R113.1@64.3,59.6 v1(65.4,59.6) ; v1(96.75,57.15) 97.425,56.475 97.425,55.859 98.084,55.2 100.358,55.2 100.7,54.858 U4.62@100.7,53.77
  Bottom Layer w0.254: v1(65.4,59.6) 65.4,58.8 66.2,58 66.2,56.7 67.7,55.2 81.1,55.2 82.835,56.935 95.8,56.935 96.015,57.15 v1(96.75,57.15)
R4: R114.1 U4.29 | length 55.6
  Top Layer w0.254: R114.1@64.3,57.6 v1(65.4,57.6) ; v1(105.08,45.02) 105.08,44.072 105.7,43.452 U4.29@105.7,42.43
  Bottom Layer w0.254: v1(65.4,57.6) 65.4,56.8 67.5,54.7 81.4,54.7 83.181,56.481 93.665,56.481 93.846,56.3 101.55,56.3 104.554,53.296 104.554,48.746 105.381,47.919 105.381,45.468 105.08,45.167 v1(105.08,45.02)
R5: R115.1 U4.30 | length 54.7
  Top Layer w0.254: R115.1@64.3,55.6 v1(65.4,55.6) ; v1(104.516,45.851) 104.537,45.831 105.297,45.831 105.979,45.149 105.979,43.816 106.2,43.594 U4.30@106.2,42.43
  Bottom Layer w0.254: v1(65.4,55.6) 66.8,54.2 81.7,54.2 83.527,56.027 92.5,56.027 92.827,55.7 101.5,55.7 104.1,53.1 104.1,48.5 104.927,47.673 104.927,46.41 104.516,45.999 v1(104.516,45.851)
RING: C65.2 C80.2 D3.1 J14.2 P64.1 R32.1 TP9.1 | length 106.9
  Top Layer w0.5: D3.1@65.8,47.9 R32.1@65.8,51.9
  Top Layer w0.508: C80.2@69,14.2 69,14.261 68,15.261 68,25.894 67.05,26.844 67.05,32.819 69.769,35.539 69.769,38.031 70.4,38.661 v1(70.4,38.8)
  Top Layer w0.6: P64.1@9.2,52.1 10.87,52.1 J14.2@14.6,48.37 16.97,48.37 C65.2@17,48.4
  Bottom Layer w0.5: 61.1,44.1 62.8,45.8 TP9.1@62.8,47.9 D3.1@65.8,47.9 65.8,45.199 70.4,40.599 v1(70.4,38.8)
  Bottom Layer w0.6: J14.2@14.6,48.37 41.13,48.37 45.4,44.1 61.1,44.1
RO: C60.2 J8.2 R44.1 R52.1 U6.17 | length 63
  Top Layer w0.254: U6.17@37.9,31.435 37.9,32.165 39.135,33.4 42.75,33.4 C60.2@44.3,34.95 44.4,34.85 v1(44.4,33.7) ; v1(48.772,31.272) 50.45,29.594 50.45,23 52.35,21.1 57.15,21.1 57.861,20.389 57.861,16.738 58.9,15.7 62.25,15.7 64.675,13.275 64.675,10.465 J8.2@69.2,5.94 67.8,5.94 67.24,6.5 R52.1@63.8,6.5 63.8,6.65 61.8,8.65 R44.1@61.8,9.5
  Bottom Layer w0.254: v1(44.4,33.7) 46.9,31.2 48.7,31.2 v1(48.772,31.272)
RS: J19.4 U4.2 | length 47
  Top Layer w0.254: v1(92.383,51.754) 95.631,51.754 96.035,51.35 U4.2@97.78,51.35
  Bottom Layer w0.254: J19.4@60.722,28.113 68.809,36.2 74.2,36.2 75.775,37.775 76.575,37.775 90.554,51.754 v1(92.383,51.754)
RST: J19.17 U4.36 | length 35.9
  Top Layer w0.254: U4.36@109.12,45.85 110.4,45.85 v1(111.05,45.2)
  Bottom Layer w0.254: J19.17@93.742,28.113 94.829,29.2 103.36,29.2 114.627,40.467 114.627,44.195 113.622,45.2 v1(111.05,45.2)
RW: J19.5 U4.3 | length 46.8
  Top Layer w0.254: v1(93.107,51.027) 93.115,51.035 95.677,51.035 95.862,50.85 U4.3@97.78,50.85
  Bottom Layer w0.254: J19.5@63.262,28.113 70.349,35.2 80.2,35.2 89,44 89,48.6 91.427,51.027 v1(93.107,51.027)
Rx_offset: C38.1 R83.1 U6.21 | length 42.2
  Top Layer w0.254: R83.1@34.3,34.875 34.274,34.849 34.274,34.468 32.82,33.014 U6.21@32.82,31.435 32.82,30.705 36.825,26.7 v1(37.9,26.7) ; v1(47.919,15.854) 50.173,15.854 52.427,13.6 v1(55.9,13.6) ; v1(56.7,11.6) 57.99,11.6 C38.1@58.15,11.44
  Bottom Layer w0.254: v1(37.9,26.7) 42.057,22.543 46.857,22.543 48.1,21.3 48.1,18.238 47.919,18.057 v1(47.919,15.854) ; v1(55.9,13.6) 56.7,12.8 v1(56.7,11.6)
SP1: R56.2 U10.13 | length 2.2
  Top Layer w0.254: U10.13@128.75,18.39 128.741,18.399 R56.2@130.9,18.4
SP_IN: J15.2 U10.15 | length 132
  Top Layer w0.254: v1(53.2,37.5) 53.9,38.2 53.9,39.65 57.6,43.35 57.6,52.35 56.2,53.75 54.95,53.75 54.146,54.554 54.146,58.204 53.646,58.704 53.646,64.446 54.15,64.95 54.15,68.507 J15.2@55.8,70.157 ; U10.15@128.75,20.93 131.07,20.93 131.1,20.9 v1(131.4,20.9)
  Bottom Layer w0.254: v1(53.2,37.5) 56.55,37.5 59.5,34.55 59.5,27.55 60.7,26.35 81.35,26.35 83.4,24.3 86.35,24.3 87.9,25.85 118,25.85 124.3,19.55 130.05,19.55 v1(131.4,20.9)
SP_OUT: P64.4 U10.11 | length 184.1
  Top Layer w0.254: P64.4@9.2,43.1 8.9,43.1 7.1,41.3 5.6,41.3 4.9,40.6 4.9,39.5 8.45,35.95 8.45,27.7 3.754,23.004 3.754,6.844 9.048,1.55 116.55,1.55 123.9,8.9 127.728,8.9 132.627,13.799 132.627,15.073 131.85,15.85 U10.11@128.75,15.85
SWCLK: J2.2 U4.49 | length 12.8
  Top Layer w0.254: U4.49@107.2,53.77 109.28,53.77 111.25,51.8 111.942,51.8 113.954,49.788 113.954,47.846 114.9,46.9 J2.2@116,46.9
SWDIO: J2.3 U4.46 | length 11.4
  Top Layer w0.254: U4.46@109.12,50.85 110.523,50.85 110.8,51.127 111.973,51.127 113.5,49.6 113.5,47.484 114.154,46.83 114.154,46.146 115.94,44.36 J2.3@116,44.36
TIP: C64.2 C79.2 D3.2 J14.1 P64.2 R26.1 TP7.1 | length 95.1
  Top Layer w0.5: R26.1@58.5,37.9 61.863,37.9 62.463,38.5 TP7.1@62.8,38.5
  Top Layer w0.508: C79.2@69,16.5 69,17.8 69.6,18.4 69.6,33.8 70.8,35 v1(70.8,37.4)
  Top Layer w0.6: P64.2@9.2,49.1 12.47,45.83 J14.1@14.6,45.83 14.63,45.8 C64.2@17,45.8
  Bottom Layer w0.254: TP7.1@62.8,38.5 TP7.1@62.801,38.501 ; D3.2@65.8,38.502 D3.2@65.8,38.502
  Bottom Layer w0.5: TP7.1@62.801,38.501 D3.2@65.8,38.502 66.902,37.4 v1(70.8,37.4)
  Bottom Layer w0.6: J14.1@14.6,45.83 40.57,45.83 47.9,38.5 TP7.1@62.8,38.5
TONE_IN: R16.1 R18.1 R25.1 U13.7 | length 128.6
  Top Layer w0.254: R25.1@16.85,34.8 17.753,34.8 18.253,34.3 v1(18.3,34.3) ; v1(98,19.3) 98.013,19.287 98.013,17.64 U13.7@98.027,17.626 98.027,16.926 98.654,16.299 99.732,16.299 99.94,16.507 99.94,18.761 101.106,19.928 101.132,19.928 103.154,21.95 103.154,36.266 102.193,37.227 R16.1@100.193,37.227
  Bottom Layer w0.254: v1(18.3,34.3) 21.35,37.35 33.15,37.35 35.4,39.6 37.55,39.6 40.85,36.3 51.65,36.3 52.325,35.625 52.325,32.725 51.15,31.55 51.15,25.65 56.5,20.3 84.05,20.3 85.05,19.3 v1(98,19.3)
TXO: J13.2 U6.3 | length 28.5
  Top Layer w0.254: J13.2@13.2,5.94 11.8,7.34 11.8,9.1 12.5,9.8 20.7,9.8 23.7,12.8 23.7,19.1 24.6,20 26,20 26.47,20.47 U6.3@26.47,22.125
TXV: J12.2 U6.4 | length 19.8
  Top Layer w0.254: J12.2@22,5.94 23.1,7.04 23.1,11 24.154,12.054 24.154,18.854 24.8,19.5 26.9,19.5 27.74,20.34 U6.4@27.74,22.125
V_CD: C74.1 C75.1 C76.2 FB4.1 R107.2 U12.2 | length 16.2
  Top Layer w0.508: R107.2@71.4,21.1 71.4,20 72.3,19.1 73.8,19.1 75.628,17.272 U12.2@76.596,17.272 78.478,17.272 v1(78.5,17.25)
  Bottom Layer w0.508: C75.1@77.4,17.25 v1(78.5,17.25) C74.1@79.9,17.25 FB4.1@79.9,15.4 77.441,15.4 C76.2@77.417,15.424
V_DTMF: C81.1 C82.1 C83.2 FB5.1 U13.8 | length 13.2
  Top Layer w0.508: v1(96.712,15.678) 96.757,15.723 U13.8@96.757,17.626
  Bottom Layer w0.508: C82.1@96.712,16.878 v1(96.712,15.678) C81.1@96.712,14.178 96.712,13.228 97.362,12.578 99.362,12.578 100.012,13.228 FB5.1@100.012,14.178 ; C83.2@100.038,16.895 100.038,14.252 FB5.1@100.112,14.178
V_MUX: C71.1 C72.2 C73.2 FB3.1 U10.16 U11.16 | length 14.2
  Top Layer w0.254: U10.16@128.69,22.26 U10.16@128.75,22.2
  Top Layer w0.5: v1(113.55,22.25) 115.658,22.25 U11.16@115.728,22.18 ; v1(127.107,22.25) 127.157,22.2 U10.16@128.75,22.2
  Bottom Layer w0.254: C73.2@128.007,24.2 C73.2@127.983,24.176 C73.2@128.01,24.149 ; C72.2@128.135,22.276 128.155,22.295 C72.2@128.2,22.25
  Bottom Layer w0.5: v1(113.55,22.25) C71.1@114.7,22.25 ; v1(127.107,22.25) C72.2@128.2,22.25 ; C73.2@128.007,24.2 130.2,24.2 ; C72.2@128.01,22.274 C73.2@128.01,24.149 ; C72.2@128.4,22.2 C73.2@128.4,24.075 ; C73.2@128.625,24 FB3.1@130.5,24
  other v1: 128,23.3 129.5,24.2
VDD: C47.2 C50.1 C61.2 D8.1 D10.1 Q10.1 R1.1 R62.2 TP19.1 U6.18 | length 22.4
  Top Layer w0.5: v1(21.5,39.2) 21.5,39.119 21.84,38.779 D8.1@21.84,37.6 21.751,37.511 D10.1@21.751,35.5
  Top Layer w0.635: v1@36.63,29.1 U6.18@36.63,31.435
  Top Layer w1: TP19.1@47.7,33.6 47.719,33.619 C50.1@50.514,33.619 ; v1(76.1,36.85) 76.1,35.686 76.686,35.1 R1.1@78.95,35.1
  Bottom Layer w0.508: v1(36.6,29.1) C61.2@36.6,30.3
  Bottom Layer w1: v1(90.9,75.2) C47.2@92.6,75.2 ; R62.2@92.6,77.3 C47.2@92.6,75.2 ; v1(96.5,75.7) 95.925,75.7 95.375,75.15 Q10.1@94.8,75.15 94.75,75.15 92.65,75.15 C47.2@92.6,75.2
  other v1: 76.1,36
VO_CONTRAST: J19.18 R89.1 | length 3.2
  Top Layer w0.254: J19.18@96.282,28.113 96.282,24.918 R89.1@96.3,24.9
VO_LCD: J19.3 R89.2 | length 40.2
  Top Layer w0.254: J19.3@58.182,28.113 J19.3@58.187,28.113 ; v1(91.65,24.15) 94.15,21.65 R89.2@95.3,21.65
  Bottom Layer w0.254: J19.3@58.182,28.113 60.595,25.7 80.6,25.7 82.6,23.7 91.2,23.7 v1(91.65,24.15)
VPP: C40.1 FB4.2 J19.2 Q9.3 R2.1 R58.2 R90.1 U6.22 | length 21.7
  Top Layer w0.5: v1(14.8,36.3) 14.775,36.325 14.775,37.575 R58.2@14.75,37.6 14.75,37.725 17.6,40.575 17.6,41.227 17.973,41.6 C40.1@18.5,41.6 v1(18.5,43.1) ; v1(31.55,29.75) U6.22@31.55,31.435 31.595,31.48 31.595,32.3 31.6,32.305 v1(31.6,33.4) ; v1(42.5,23.8) Q9.3@44.2,23.8 ; v1(77.2,31.25) v1@77.225,31.25 ; R2.1@78.95,32.975 R2.1@78.95,33.1
  Top Layer w0.635: v1(97.4,21.7) R90.1@98.8,21.7
  Top Layer w0.7: R2.1@78.65,33.2 77.225,31.775 77.225,31.25 R2.1@78.95,32.975
  Bottom Layer w0.508: FB4.2@79.9,13.9 v1(81,13.9)
  other v1: 78,32
xCS/xMUTE: C44.2 R59.2 TP16.1 U4.52 | length 100
  Top Layer w0.254: TP16.1@31.4,35.725 29.678,35.725 29.025,36.378 R59.2@28.9,36.378 C44.2@28.9,38.225 27.6,39.525 27.6,40.8 28.7,41.9 28.7,46.6 31,48.9 43.4,48.9 44.3,48 v1(47,48) ; v1(101.3,51.2) 104.388,51.2 105.7,52.512 U4.52@105.7,53.77
  Bottom Layer w0.254: v1(47,48) 51.95,48 55.05,51.1 56.5,51.1 59.1,53.7 60.8,53.7 63.227,51.273 85.301,51.273 88.328,54.3 95.8,54.3 98.9,51.2 v1(101.3,51.2)
pads on no net: P64.11 P64.12 P65.5 P65.6 R90.3 U5.1 U5.2 U5.3 U5.PAD U11.4 U11.11

## Polygon pours and split planes (outlines as drawn)
GND on Signal Layer 1 "GND_L02_P001" (solid, pour order 1): 38.3,79.8 37.6,79.1 37.6,73.45 35.55,71.4 35.55,57.15 31.85,53.45 0.948,53.45 0.234,52.706 0.3,0.3 137.6,0.3 137.6,79.7 137.7,79.8
VDD on Signal Layer 2 "VDD_L03_P005" (solid, pour order 5): 35.55,57.15 31.9,53.5 21.8,53.5 20.35,52.05 20.35,34.85 21.9,33.3 28.6,33.3 30.7,35.4 32.6,35.4 34.7,33.3 34.7,29.7 36.2,28.2 44.4,28.2 47.176,30.976 74.826,30.976 77.05,33.2 79,33.2 80.1,34.3 80.1,35.2 79.5,35.8 77.2,35.8 77,36 77,36.8 76.4,37.4 51.2,37.4 40.8,47.8 40.8,66.4 101.5,66.4 101.5,79.25 38.15,79.25 37.595,78.695 37.625,73.725 35.55,71.65
VPP on Signal Layer 2 "VPP_L03_P002" (solid, pour order 2): 25.2,19.6 0.9,19.6 0.9,50.45 3.65,53.2 17.55,53.2 19.95,50.8 19.95,43.8 19.95,34.04 21.19,32.8 29,32.8 30.9,34.7 32.6,34.7 34.2,33.1 34.2,29.3 35.9,27.6 44.3,27.6 47.3,30.6 75.2,30.6 77.4,32.8 79.5,32.8 79.7,32.6 79.7,23 82.7,20 88.5,20 92,23.5 100.5,23.5 100.5,22.5 89.5,11.5 33.3,11.5
V_MUX on Signal Layer 2 "V_MUX_L03_P000" (solid, pour order 0): 124.5,24.8 119.9,24.8 117,24.8 113.6,24.8 112.6,23.8 112.6,21.9 113.1,21.4 129.7,21.4 130.3,22 130.3,24.3 129.8,24.8
MCU_3.3V on Signal Layer 2 "MCU_3.3V_L03_P003" (solid, pour order 3): 82.7,55.1 90.95,63.35 111.55,63.35 112.6,62.3 112.6,44.8 114.2,43.2 114.2,37.4 112.7,35.9 111.1,35.9 104.7,29.5 104.7,28.6 104.7,17.845 96.5,9.645 96.5,2.4 95.2,1.1 0.9,1.1 0.9,18.9 24.6,18.9 32.8,10.7 89.4,10.7 100.9,22.2 100.9,35.8 101,35.9 100.3,36.6 98.2,36.6 95.65,39.15 89.95,39.15 82.7,46.4
+3V3 on Signal Layer 2 "+3V3_L03_P004" (solid, pour order 4): 136.65,65.45 136.65,78.1 135.5,79.25 101.4,79.25 101.4,71.15 100.45,70.2 79.5,70.2 75.4,66.1 45.573,66.1 44.123,67.6 41.7,67.6 41.1,67 41.1,48.3 51.5,37.9 72.1,37.9 76.2,37.9 76.9,37.2 77.2,36.9 77.2,36.4 77.5,36.1 79.5,36.1 80.5,35.1 80.5,22.8 82.7,20.6 88.2,20.6 91.5,23.9 101.4,23.9 103,22.3 103,17 96.9,10.9 96.9,1.7 97.75,0.85 135.9,0.85 136.65,1.6
GND on Top Layer "GND_L01_P008" (solid, remove dead copper, pour order 8): 38.3,79.8 37.6,79.1 37.6,73.45 35.55,71.4 35.55,57.15 31.85,53.45 0.948,53.45 0.234,52.706 0.3,0.3 137.6,0.3 137.6,79.7 137.7,79.8
NetC4_2 on Top Layer "L04_24V_T" (solid, pour order 7): 79.8,38.75 87.3,38.75 89.2,36.85 89.2,34.841 88.759,34.4 87,34.4 86.55,33.95 81.9,33.95 81.15,33.2 81.15,31.85 80.8,31.5 80.15,31.5 79.8,31.85 79.8,35.85 79,36.65 79,38 79.8,38.8
+3V3 on Top Layer "L04_24V_T" (solid, pour order 6): 100.85,34.2 100.65,34 90.75,34 90.3,34.45 90.3,36.25 93.35,39.3 95.15,39.3 96,38.45 96,37.05 97.4,35.65 100.4,35.65 100.85,35.2
GND on Bottom Layer "GND_L04_P009" (solid, remove dead copper, pour order 9): 38.3,79.8 37.6,79.1 37.6,73.45 35.55,71.4 35.55,57.15 31.85,53.45 0.948,53.45 0.234,52.706 0.3,0.3 137.6,0.3 137.6,79.7 137.7,79.8

## Keep-outs
Keep-Out Layer:
  the board outline again, w0.152

## Silkscreen, mask and mechanical layers (free items; w line width, h text height)
Top Overlay:
  drawing of 1800 lines, arcs and shapes, not listed
  text "SP65 01-V04.01" at 102.5,73.1 h1.2
Mechanical 1:
  region: 8.077,58.29 0,58.29 0,68.041 8.077,68.041
  region: 8.436,37.138 0,37.138 0,55.063 8.436,55.063
Mechanical 2:
  circle w0.013: c4.006,30.006 r1.65
  circle w0.013: c4.006,75.006 r1.65
  circle w0.013: c34.006,5.006 r1.65
  circle w0.013: c129.006,5.006 r1.65
  circle w0.013: c107.806,29.006 r1.65
  circle w0.013: c129.006,75.006 r1.65
  circle w0.013: c65.006,70.006 r1.65
  circle w0.013: c34.006,75.006 r1.65
  lines w0.013: 0.006,0.006 138.006,0.006 138.006,80.006 0.006,80.006 0.006,0.006
  lines w0.152: 44,26 121,26 121,76 44,76 44,26

## Text inside footprints (layer, text, board x,y; h text height)
J1: Top Overlay "1" at 112.8,35.35 h1
J2: Top Overlay "1" at 113.8,49.15 h1
P64: Top Overlay "1" at 11.105,52.965 h1.27 r90; Mechanical 13 "1" at 11.105,52.965 h1.27 r90
P65: Top Overlay "1" at 9.505,66.365 h1.27 r90; Mechanical 13 "1" at 9.505,66.365 h1.27 r90; Mechanical 13 "4" at 6.965,59.725 h1.27 r90
X1: Top Overlay "XTAL" at 93.1,15.15 h1.52 r90
X2: Top Overlay "XTAL" at 106.5,4.7 h1.52